# Altium PCB UZ_A_MAX11331_Adapter.PcbDoc (part 2 of 2) (continued)
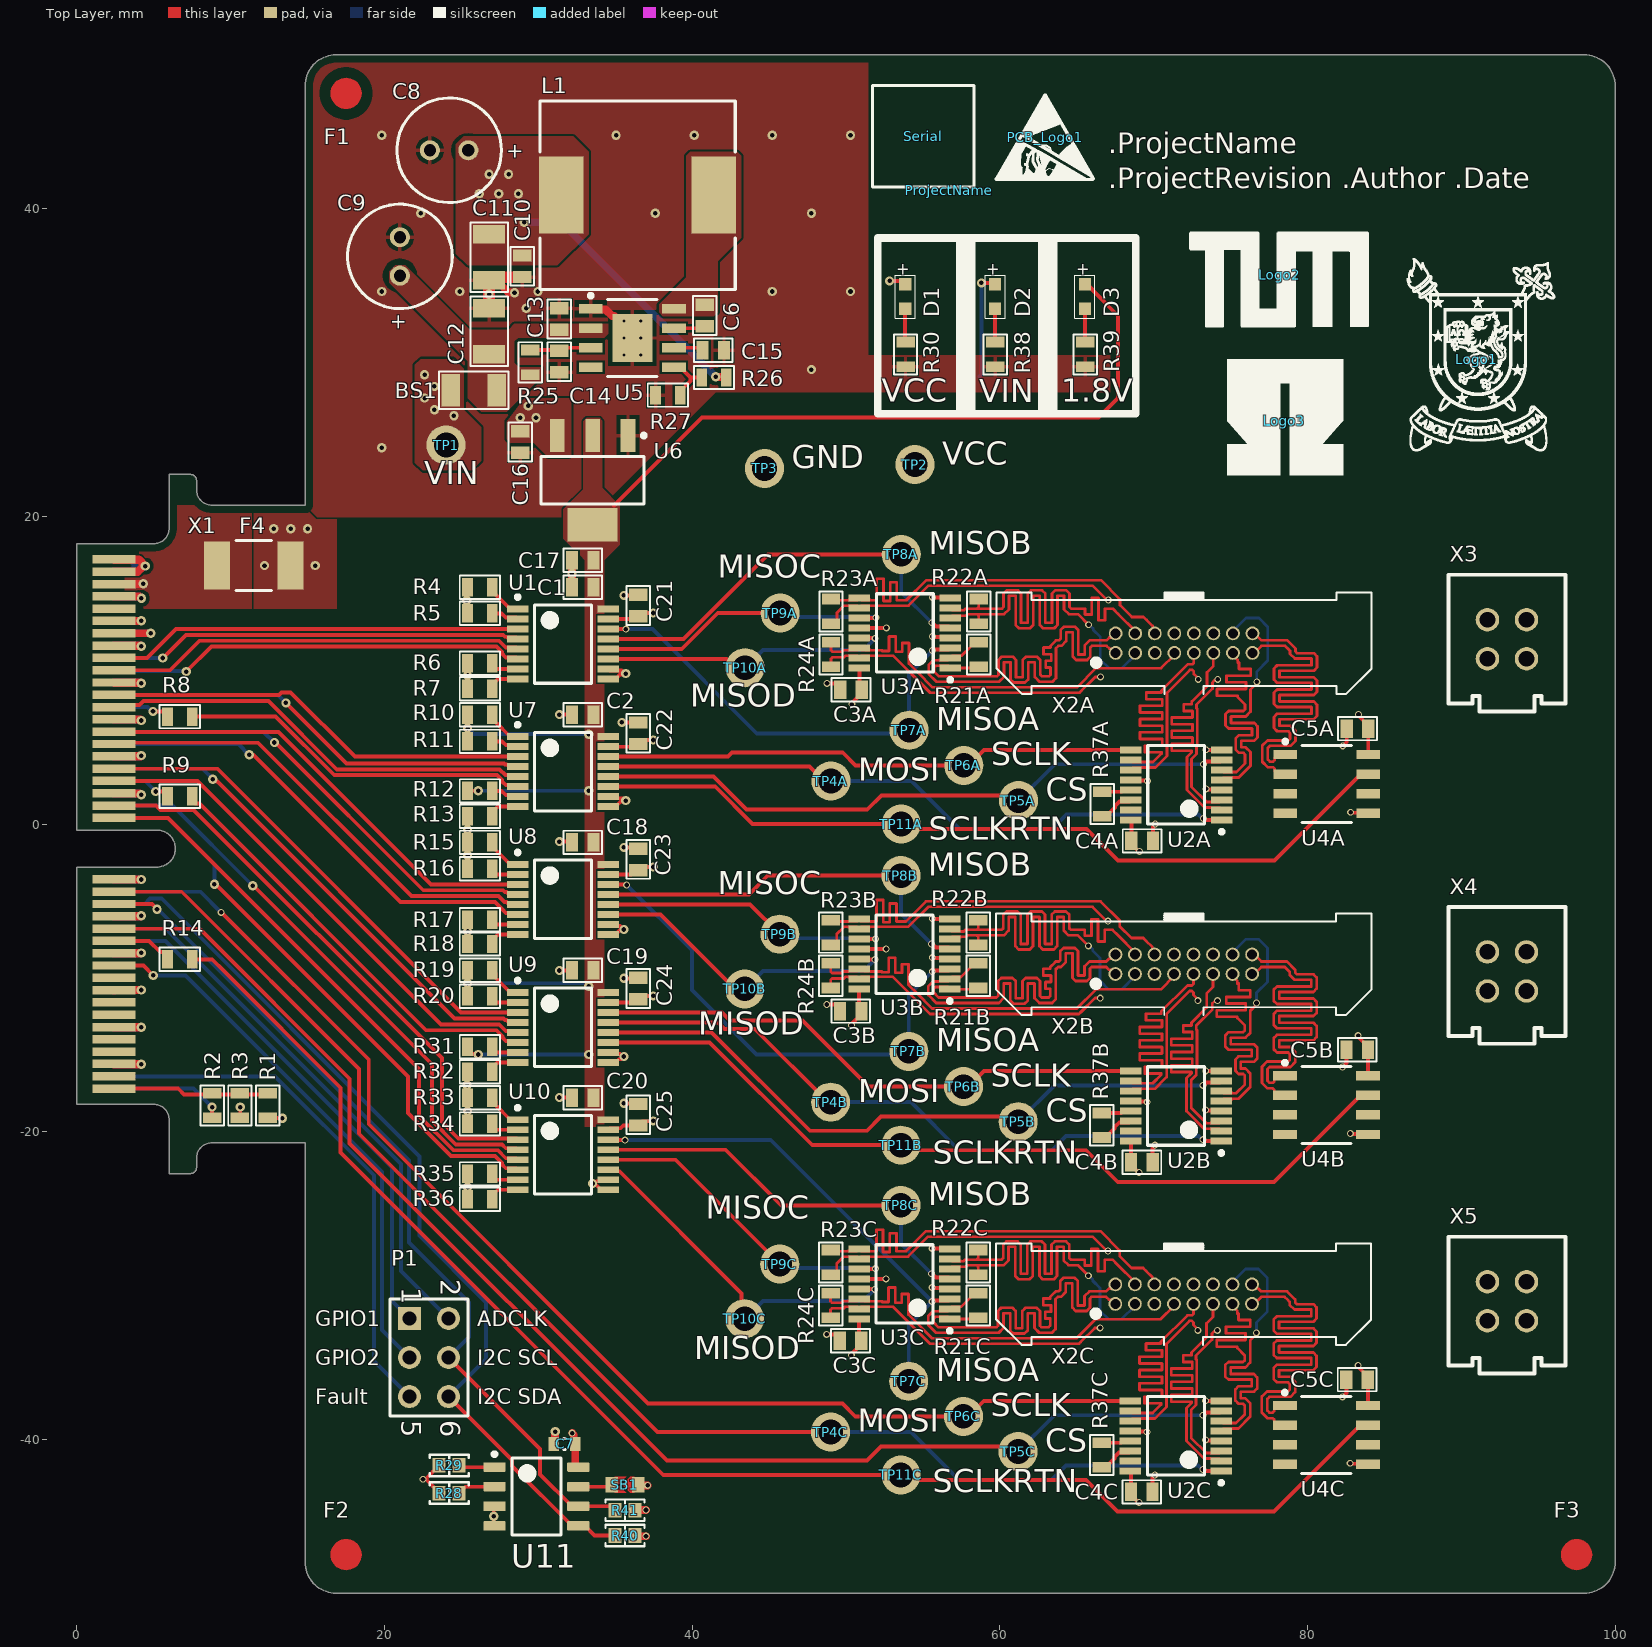
[diagram p0: Top Layer view]
## Nets (pads, with @x,y where several pads share a name; then routed paths per layer and width w, separated by ;. In a path a pad name is that pad's centre, name@x,y a point inside that pad or via, vN(x,y) a via of type N, cw(c..) or ccw(c..) an arc to the next point about the centre after c; other vN are vias at no path point) (continued)
  Bottom Layer w0.254: TP4A.1@49.022,2.794 54.249,2.794 57.373,-0.33 63.396,-0.33 64.332,0.606 72.925,0.606 73.175,0.356 v2(73.228,0.356)
MOSI1_i: U7.4 X1.24 | length 28.2
  Top Layer w0.254: v1(13.589,7.874) 17.526,3.937 27.768,3.937 27.834,3.871 27.928,3.871 27.976,3.823 28.552,3.823 U7.4@28.65,3.725
  Bottom Layer w0.254: X1.24@2.413,8.393 13.07,8.393 v1(13.589,7.874)
MOSI2: TP4B.1 U2B.1 U9.13 | length 43.8
  Top Layer w0.254: U9.13@34.55,-12.9 41.678,-12.9 42.113,-13.335 44.069,-13.335 48.819,-18.085 TP4B.1@49.002,-18.085 ; v2(73.208,-20.523) 73.261,-20.523 73.347,-20.609 U2B.1@74.398,-20.609
  Bottom Layer w0.254: TP4B.1@49.002,-18.085 54.229,-18.085 57.354,-21.209 63.376,-21.209 64.313,-20.273 72.905,-20.273 73.155,-20.523 v2(73.208,-20.523)
MOSI2_i: U9.4 X1.36 | length 33.1
  Top Layer w0.254: v1(8.839,2.912) 8.933,2.912 9.08,2.765 9.147,2.765 24.562,-12.649 27.729,-12.649 27.834,-12.754 27.928,-12.754 27.976,-12.802 28.552,-12.802 U9.4@28.65,-12.9
  Bottom Layer w0.254: X1.36@2.413,3.593 8.158,3.593 v1(8.839,2.912)
MOSI3: TP4C.1 U2C.1 X1.47 | length 90.8
  Top Layer w0.254: X1.47@2.413,-4.407 6.82,-4.407 18.351,-15.938 18.351,-20.139 37.74,-39.527 TP4C.1@48.997,-39.527 ; v2(73.203,-41.966) 73.256,-41.966 73.341,-42.051 U2C.1@74.393,-42.051
  Bottom Layer w0.254: TP4C.1@48.997,-39.527 54.224,-39.527 57.348,-42.652 63.371,-42.652 64.307,-41.715 72.899,-41.715 73.15,-41.966 v2(73.203,-41.966)
MOSIA_N: U2A.3 X2A.12 | length 20.5
  Top Layer w0.178: v2(74.168,9.398) 74.116,9.346 73.971,9.346 73.822,9.196 73.822,8.798 72.785,7.761 72.785,7.53 72.836,7.48 72.836,5.068 72.785,5.017 72.785,4.547 72.466,4.228 72.466,2.408 73.451,1.423 73.703,1.423 73.714,1.434 74.282,1.434 U2A.3@74.418,1.57
  VCC w0.178: X2A.12@73.883,12.395 73.883,12.534 74.74,13.392 76.836,13.392 77.419,12.808 77.419,10.617 76.708,9.906 74.676,9.906 v2(74.168,9.398)
MOSIA_P: U2A.2 X2A.11 | length 21.6
  Top Layer w0.178: X2A.11@73.883,11.125 73.883,10.276 73.466,9.859 73.466,8.945 72.48,7.959 72.48,7.785 71.951,7.785 71.951,7.353 72.531,7.353 72.531,6.922 71.171,6.922 71.171,6.49 72.531,6.49 72.531,6.058 71.171,6.058 71.171,5.626 72.531,5.626 72.531,5.194 71.171,5.194 71.171,4.763 72.48,4.763 72.48,4.674 72.161,4.355 72.161,2.21 73.304,1.068 73.703,1.068 73.714,1.057 74.282,1.057 U2A.2@74.418,0.92
MOSIB_N: U2B.3 X2B.12 | length 20.5
  Top Layer w0.178: v2(74.148,-11.481) 74.096,-11.533 73.951,-11.533 73.802,-11.683 73.802,-12.081 72.765,-13.118 72.765,-13.349 72.816,-13.399 72.816,-15.811 72.765,-15.862 72.765,-16.332 72.446,-16.651 72.446,-18.471 73.431,-19.456 73.683,-19.456 73.694,-19.445 74.262,-19.445 U2B.3@74.398,-19.309
  VCC w0.178: X2B.12@73.863,-8.484 73.863,-8.345 74.721,-7.487 76.816,-7.487 77.399,-8.071 77.399,-10.262 76.688,-10.973 74.656,-10.973 v2(74.148,-11.481)
MOSIB_P: U2B.2 X2B.11 | length 21.6
  Top Layer w0.178: X2B.11@73.863,-9.754 73.863,-10.603 73.446,-11.02 73.446,-11.934 72.461,-12.92 72.461,-13.094 71.931,-13.094 71.931,-13.526 72.511,-13.526 72.511,-13.957 71.151,-13.957 71.151,-14.389 72.511,-14.389 72.511,-14.821 71.151,-14.821 71.151,-15.253 72.511,-15.253 72.511,-15.685 71.151,-15.685 71.151,-16.116 72.461,-16.116 72.461,-16.205 72.142,-16.524 72.142,-18.669 73.284,-19.811 73.683,-19.811 73.694,-19.822 74.262,-19.822 U2B.2@74.398,-19.959
MOSIC_N: U2C.3 X2C.12 | length 20.5
  Top Layer w0.178: v2(74.143,-32.923) 74.091,-32.975 73.946,-32.975 73.796,-33.125 73.796,-33.524 72.76,-34.56 72.76,-34.791 72.811,-34.842 72.811,-37.253 72.76,-37.304 72.76,-37.774 72.441,-38.093 72.441,-39.913 73.426,-40.898 73.677,-40.898 73.688,-40.887 74.256,-40.887 U2C.3@74.393,-40.751
  VCC w0.178: X2C.12@73.858,-29.926 73.858,-29.787 74.715,-28.93 76.81,-28.93 77.394,-29.513 77.394,-31.704 76.683,-32.415 74.651,-32.415 v2(74.143,-32.923)
MOSIC_P: U2C.2 X2C.11 | length 21.6
  Top Layer w0.178: X2C.11@73.858,-31.196 73.858,-32.045 73.441,-32.462 73.441,-33.377 72.455,-34.362 72.455,-34.536 71.926,-34.536 71.926,-34.968 72.506,-34.968 72.506,-35.4 71.145,-35.4 71.145,-35.832 72.506,-35.832 72.506,-36.263 71.145,-36.263 71.145,-36.695 72.506,-36.695 72.506,-37.127 71.145,-37.127 71.145,-37.559 72.455,-37.559 72.455,-37.648 72.136,-37.967 72.136,-40.111 73.279,-41.254 73.677,-41.254 73.688,-41.265 74.256,-41.265 U2C.2@74.393,-41.401
NetC6_2: C6.2 U5.7 | length 1.8
  Top Layer w0.254: U5.7@38.808,32.229 C6.2@40.47,32.229 ; C6.2@40.808,32.359 C6.2@40.894,32.445
NetC15_1: C15.1 U5.6 | length 1.9
  Top Layer w0.254: U5.6@38.808,30.959 40.514,30.959 C15.1@40.667,30.806
NetD1_1: D1.1 R30.2 | length 2.2
  Top Layer w0.254: D1.1@53.848,33.49 53.848,31.349 R30.2@53.87,31.327
NetD2_1: D2.1 R38.1 | length 2.2
  Top Layer w0.254: D2.1@59.69,33.49 59.69,31.349 R38.1@59.712,31.327
NetD3_1: D3.1 R39.1 | length 2.2
  Top Layer w0.254: D3.1@65.532,33.49 65.532,31.349 R39.1@65.554,31.327
NetR1_1: R1.1 R2.2 R3.1 X1.79 | length 10.2
  Top Layer w0.254: X1.79@2.413,-17.207 6.59,-17.207 6.96,-17.577 12.323,-17.577 R1.1@12.4,-17.5
NetR2_1: R2.1 X1.80 | length 7.6
  Top Layer w0.254: v1(8.788,-18.404) 8.788,-19.088 R2.1@8.8,-19.1
  Bottom Layer w0.254: X1.80@2.413,-17.207 7.591,-17.207 v1(8.788,-18.404)
NetR4_2: R4.2 U1.1 | length 2.4
  Top Layer w0.254: R4.2@27,15.4 27,15.15 27.223,14.927 28.175,13.975 U1.1@28.65,13.975
NetR5_2: R5.2 U1.2 | length 1.8
  Top Layer w0.254: R5.2@27,13.694 27.611,13.694 27.882,13.423 28.552,13.423 U1.2@28.65,13.325
NetR6_2: R6.2 U1.7 | length 1.9
  Top Layer w0.254: R6.2@27,10.45 27,10.298 27.223,10.075 U1.7@28.65,10.075
NetR7_2: R7.2 U1.8 | length 2.1
  Top Layer w0.254: R7.2@27,8.8 27,9.05 27.375,9.425 U1.8@28.65,9.425
NetR8_1: R8.1 U7.6 | length 23.1
  Top Layer w0.254: R8.1@7.493,6.985 12.923,6.985 16.733,3.175 27.32,3.175 27.629,2.866 27.629,2.775 27.882,2.523 28.552,2.523 U7.6@28.65,2.425
NetR9_1: R9.1 U9.6 | length 28
  Top Layer w0.254: R9.1@7.493,1.8 7.493,1.55 7.716,1.327 7.966,1.327 22.704,-13.411 27.281,-13.411 27.671,-13.8 27.671,-13.891 27.882,-14.102 28.552,-14.102 U9.6@28.65,-14.2
NetR10_2: R10.2 U7.1 | length 2.4
  Top Layer w0.254: R10.2@27,7.1 27,6.85 27.223,6.627 28.175,5.675 U7.1@28.65,5.675
NetR11_2: R11.2 U7.2 | length 1.8
  Top Layer w0.254: R11.2@27,5.368 27.637,5.368 27.882,5.123 28.552,5.123 U7.2@28.65,5.025
NetR12_2: R12.2 U7.7 | length 1.8
  Top Layer w0.254: R12.2@27,2.15 27.605,2.15 27.882,1.873 28.552,1.873 U7.7@28.65,1.775
NetR13_2: R13.2 U7.8 | length 2.1
  Top Layer w0.254: R13.2@27,0.5 27,0.75 27.375,1.125 U7.8@28.65,1.125
NetR14_1: R14.1 X1.55 | length 4.1
  Top Layer w0.254: X1.55@2.413,-7.607 4.7,-7.607 5.42,-8.327 5.67,-8.327 5.893,-8.55 R14.1@5.893,-8.8
NetR15_2: R15.2 U8.1 | length 2.4
  Top Layer w0.254: R15.2@27,-1.2 27,-1.45 27.223,-1.673 28.175,-2.625 U8.1@28.65,-2.625
NetR16_2: R16.2 U8.2 | length 1.9
  Top Layer w0.254: R16.2@27,-2.9 27,-3.052 27.223,-3.275 U8.2@28.65,-3.275
NetR17_2: R17.2 U8.7 | length 1.9
  Top Layer w0.254: R17.2@27,-6.15 27,-6.302 27.223,-6.525 U8.7@28.65,-6.525
NetR18_2: R18.2 U8.8 | length 2.1
  Top Layer w0.254: R18.2@27,-7.8 27,-7.55 27.375,-7.175 U8.8@28.65,-7.175
NetR19_2: R19.2 U9.1 | length 2.4
  Top Layer w0.254: R19.2@27,-9.5 27.223,-9.723 27.223,-9.998 28.175,-10.95 U9.1@28.65,-10.95
NetR20_2: R20.2 U9.2 | length 1.9
  Top Layer w0.254: R20.2@27,-11.2 27,-11.377 27.223,-11.6 U9.2@28.65,-11.6
NetR31_2: R31.2 U9.7 | length 1.9
  Top Layer w0.254: R31.2@27,-14.475 27,-14.627 27.223,-14.85 U9.7@28.65,-14.85
NetR32_2: R32.2 U9.8 | length 2
  Top Layer w0.254: R32.2@27,-16.1 27,-15.85 27.35,-15.5 U9.8@28.65,-15.5
NetR33_2: R33.2 U10.1 | length 2.4
  Top Layer w0.254: R33.2@27,-17.8 27.223,-18.023 27.223,-18.273 28.175,-19.225 U10.1@28.65,-19.225
NetR34_2: R34.2 U10.2 | length 1.9
  Top Layer w0.254: R34.2@27,-19.5 27,-19.652 27.223,-19.875 U10.2@28.65,-19.875
NetR35_2: R35.2 U10.7 | length 1.9
  Top Layer w0.254: R35.2@27,-22.75 27,-22.902 27.223,-23.125 U10.7@28.65,-23.125
NetR36_2: R36.2 U10.8 | length 2.1
  Top Layer w0.254: R36.2@27,-24.4 27,-24.15 27.375,-23.775 U10.8@28.65,-23.775
NetR37A_1: R37A.1 U2A.14 | length 2.4
  Top Layer w0.254: R37A.1@66.653,0.498 66.903,0.498 67.485,1.08 67.485,1.172 67.786,1.472 68.42,1.472 U2A.14@68.518,1.57
NetR37A_2: R37A.2 U2A.13 | length 1.9
  Top Layer w0.254: R37A.2@66.653,2.098 67.921,2.098 68.043,2.22 U2A.13@68.518,2.22
NetR37B_1: R37B.1 U2B.14 | length 2.4
  Top Layer w0.254: R37B.1@66.633,-20.381 66.883,-20.381 67.465,-19.799 67.465,-19.707 67.766,-19.407 68.4,-19.407 U2B.14@68.498,-19.309
NetR37B_2: R37B.2 U2B.13 | length 1.9
  Top Layer w0.254: R37B.2@66.633,-18.781 67.901,-18.781 68.023,-18.659 U2B.13@68.498,-18.659
NetR37C_1: R37C.1 U2C.14 | length 2.4
  Top Layer w0.254: R37C.1@66.628,-41.823 66.878,-41.823 67.46,-41.241 67.46,-41.15 67.76,-40.849 68.395,-40.849 U2C.14@68.493,-40.751
NetR37C_2: R37C.2 U2C.13 | length 1.9
  Top Layer w0.254: R37C.2@66.628,-40.223 67.895,-40.223 68.018,-40.101 U2C.13@68.493,-40.101
NetSB1_2: SB1.2 U11.7 | length 2.2
  Top Layer w0.25: U11.7@32.601,-43.083 34.639,-43.083 SB1.2@34.766,-42.956
PS_ANL_GPIO_01: P1.1 X1.56 | length 34.4
  Bottom Layer w0.254: X1.56@2.413,-7.607 5.753,-7.607 20.489,-22.344 20.489,-31.013 P1.1@21.62,-32.144
PS_ANL_GPIO_02: P1.3 X1.59 | length 35.8
  Top Layer w0.254: X1.59@2.413,-9.207 4.326,-9.207 v1(4.963,-9.843)
  Bottom Layer w0.254: v1(4.963,-9.843) 7.049,-9.843 19.825,-22.619 19.825,-32.889 P1.3@21.62,-34.684
SCLK1: TP6A.1 U2A.9 U7.14 | length 34.8
  Top Layer w0.254: U7.14@34.55,4.375 42.32,4.375 42.593,4.648 49.79,4.648 50.628,3.81 TP6A.1@57.658,3.81 57.972,3.81 58.982,4.82 U2A.9@68.518,4.82
SCLK1_i: U7.3 X1.23 | length 28
  Top Layer w0.254: X1.23@2.413,8.393 13.145,8.393 13.307,8.555 13.899,8.555 18.079,4.375 U7.3@28.65,4.375
SCLK2: TP6B.1 U2B.9 U9.14 | length 36.4
  Top Layer w0.254: U9.14@34.55,-12.25 41.931,-12.25 42.457,-12.776 47.168,-12.776 51.461,-17.069 TP6B.1@57.638,-17.069 57.952,-17.069 58.963,-16.059 U2B.9@68.498,-16.059
SCLK2_i: U9.3 X1.35 | length 32.8
  Top Layer w0.254: X1.35@2.413,3.593 9.132,3.593 24.975,-12.25 U9.3@28.65,-12.25
SCLK3: TP6C.1 U2C.9 X1.48 | length 83.1
  Top Layer w0.254: v2(9.373,-5.74) 9.398,-5.74 18.974,-15.316 18.974,-19.516 37.131,-37.673 49.765,-37.673 50.603,-38.511 TP6C.1@57.633,-38.511 57.947,-38.511 58.957,-37.501 U2C.9@68.493,-37.501
  Bottom Layer w0.254: X1.48@2.413,-4.407 8.039,-4.407 v2(9.373,-5.74)
SCLKA_N: U2A.11 X2A.10 | length 22.6
  Top Layer w0.178: U2A.11@68.518,3.52 68.654,3.657 69.222,3.657 69.233,3.668 70.109,3.668 70.866,4.425 70.866,8.529 72.362,10.025 72.509,10.025 72.613,9.921 72.613,9.757 72.898,9.472 v2(72.898,9.398)
  GND w0.178: X2A.10@72.613,12.395 72.613,12.534 73.47,13.392 76.836,13.392 77.419,12.808 77.419,10.713 76.672,9.966 73.466,9.966 v2(72.898,9.398)
SCLKA_P: U2A.10 X2A.9 | length 22.8
  Top Layer w0.178: U2A.10@68.518,4.17 68.654,4.034 69.222,4.034 69.233,4.023 69.962,4.023 70.51,4.572 70.51,4.661 69.434,4.661 69.434,5.093 70.561,5.093 70.561,5.525 69.113,5.525 69.113,5.956 70.561,5.956 70.561,6.388 69.113,6.388 69.113,6.82 70.561,6.82 70.561,7.252 69.113,7.252 69.113,7.684 70.561,7.684 70.561,8.115 69.523,8.115 69.523,8.547 70.51,8.547 70.51,8.677 72.214,10.38 72.509,10.38 72.613,10.485 X2A.9@72.613,11.125
SCLKB_N: U2B.11 X2B.10 | length 22.6
  Top Layer w0.178: U2B.11@68.498,-17.359 68.634,-17.222 69.202,-17.222 69.213,-17.211 70.089,-17.211 70.846,-16.454 70.846,-12.35 72.342,-10.854 72.489,-10.854 72.593,-10.958 72.593,-11.122 72.878,-11.407 v2(72.878,-11.481)
  GND w0.178: X2B.10@72.593,-8.484 72.593,-8.345 73.451,-7.487 76.816,-7.487 77.399,-8.071 77.399,-10.166 76.652,-10.913 73.446,-10.913 v2(72.878,-11.481)
SCLKB_P: U2B.10 X2B.9 | length 22.8
  Top Layer w0.178: U2B.10@68.498,-16.709 68.634,-16.845 69.202,-16.845 69.213,-16.856 69.942,-16.856 70.491,-16.307 70.491,-16.218 69.414,-16.218 69.414,-15.786 70.541,-15.786 70.541,-15.354 69.094,-15.354 69.094,-14.923 70.541,-14.923 70.541,-14.491 69.094,-14.491 69.094,-14.059 70.541,-14.059 70.541,-13.627 69.094,-13.627 69.094,-13.195 70.541,-13.195 70.541,-12.764 69.503,-12.764 69.503,-12.332 70.491,-12.332 70.491,-12.202 72.194,-10.499 72.489,-10.499 72.593,-10.394 X2B.9@72.593,-9.754
SCLKC_N: U2C.11 X2C.10 | length 22.6
  Top Layer w0.178: U2C.11@68.493,-38.801 68.629,-38.665 69.197,-38.665 69.208,-38.654 70.083,-38.654 70.841,-37.897 70.841,-33.792 72.336,-32.297 72.483,-32.297 72.588,-32.401 72.588,-32.565 72.873,-32.85 v2(72.873,-32.923)
  GND w0.178: X2C.10@72.588,-29.926 72.588,-29.787 73.445,-28.93 76.81,-28.93 77.394,-29.513 77.394,-31.609 76.647,-32.356 73.441,-32.356 v2(72.873,-32.923)
SCLKC_P: U2C.10 X2C.9 | length 22.8
  Top Layer w0.178: U2C.10@68.493,-38.151 68.629,-38.287 69.197,-38.287 69.208,-38.298 69.936,-38.298 70.485,-37.749 70.485,-37.66 69.408,-37.66 69.408,-37.229 70.536,-37.229 70.536,-36.797 69.088,-36.797 69.088,-36.365 70.536,-36.365 70.536,-35.933 69.088,-35.933 69.088,-35.501 70.536,-35.501 70.536,-35.07 69.088,-35.07 69.088,-34.638 70.536,-34.638 70.536,-34.206 69.498,-34.206 69.498,-33.774 70.485,-33.774 70.485,-33.645 72.189,-31.941 72.483,-31.941 72.588,-31.837 X2C.9@72.588,-31.196
SCLKRTN1_i: R8.2 X1.26 | length 3.8
  Top Layer w0.254: v1(4.947,7.32) 5.67,7.32 5.893,7.097 R8.2@5.893,6.985
  Bottom Layer w0.254: X1.26@2.413,7.593 4.58,7.593 4.853,7.32 v1(4.947,7.32)
SCLKRTN2_i: R9.2 X1.38 | length 3.9
  Top Layer w0.254: v1(5.126,2.112) 5.67,2.112 5.893,1.889 R9.2@5.893,1.8
  Bottom Layer w0.254: X1.38@2.413,2.793 4.445,2.793 v1(5.126,2.112)
SCLKRTN3: R14.2 TP11C.1 U4C.7 | length 96.1
  Top Layer w0.254: R14.2@7.493,-8.8 8.8,-8.8 9.552,-9.552 17.145,-17.145 17.145,-21.345 38.121,-42.321 TP11C.1@53.569,-42.321 53.899,-42.652 65.608,-42.652 67.663,-44.707 77.828,-44.707 83.454,-39.081 U4C.7@83.929,-39.081
SCLKRTNA: TP11A.1 U4A.7 U7.11 | length 53.7
  Top Layer w0.254: U7.11@34.55,2.425 41.5,2.425 43.925,0 TP11A.1@53.594,0 53.924,-0.33 65.634,-0.33 67.689,-2.385 77.854,-2.385 83.479,3.24 U4A.7@83.954,3.24
SCLKRTNA_N: U4A.1 X2A.16 | length 27.1
  Top Layer w0.178: X2A.16@76.423,12.395 76.562,12.395 77.019,11.938 78.689,11.938 79.223,11.405 79.223,11.212 79.327,11.107 80.411,11.107 80.62,10.899 80.62,10.173 80.411,9.964 78.181,9.964 78.181,9.533 80.411,9.533 80.62,9.324 80.62,8.598 80.411,8.39 78.181,8.39 78.181,7.958 80.411,7.958 80.62,7.749 80.62,7.023 80.411,6.815 78.181,6.815 78.181,6.383 78.91,6.383 79.223,6.071 79.223,5.41 79.223,5.392 78.91,5.08 77.546,5.08 77.417,4.951 77.417,4.195 77.559,4.053 77.764,4.053 77.868,4.157 77.868,4.299 78.079,4.51 U4A.1@78.554,4.51
SCLKRTNA_P: U4A.2 X2A.15 | length 27.1
  Top Layer w0.178: X2A.15@76.423,11.125 76.562,11.125 77.019,11.583 78.542,11.583 78.72,11.405 78.867,11.257 78.867,11.064 79.179,10.752 80.264,10.752 80.264,10.32 78.034,10.32 77.826,10.112 77.826,9.385 78.034,9.177 80.264,9.177 80.264,8.745 78.034,8.745 77.826,8.537 77.826,7.81 78.034,7.602 80.264,7.602 80.264,7.17 78.034,7.17 77.826,6.962 77.826,6.236 78.034,6.027 78.763,6.027 78.867,5.923 78.867,5.54 78.763,5.436 77.737,5.436 77.399,5.436 77.061,5.098 77.061,4.047 77.412,3.697 77.764,3.697 77.868,3.593 77.868,3.451 78.079,3.24 U4A.2@78.554,3.24
SCLKRTNB: TP11B.1 U4B.7 U9.11 | length 55.5
  Top Layer w0.254: U9.11@34.55,-14.2 41.124,-14.2 47.803,-20.879 TP11B.1@53.574,-20.879 53.904,-21.209 65.614,-21.209 67.669,-23.264 77.834,-23.264 83.459,-17.639 U4B.7@83.934,-17.639
SCLKRTNB_N: U4B.1 X2B.16 | length 27.1
  Top Layer w0.178: X2B.16@76.403,-8.484 76.542,-8.484 76.999,-8.941 78.669,-8.941 79.203,-9.474 79.203,-9.667 79.307,-9.772 80.392,-9.772 80.6,-9.98 80.6,-10.706 80.392,-10.915 78.161,-10.915 78.161,-11.346 80.392,-11.346 80.6,-11.555 80.6,-12.281 80.392,-12.489 78.161,-12.489 78.161,-12.921 80.392,-12.921 80.6,-13.13 80.6,-13.856 80.392,-14.064 78.161,-14.064 78.161,-14.496 78.89,-14.496 79.203,-14.808 79.203,-15.469 79.203,-15.487 78.89,-15.799 77.526,-15.799 77.397,-15.928 77.397,-16.684 77.539,-16.826 77.744,-16.826 77.848,-16.722 77.848,-16.58 78.059,-16.369 U4B.1@78.534,-16.369
SCLKRTNB_P: U4B.2 X2B.15 | length 27.1
  Top Layer w0.178: X2B.15@76.403,-9.754 76.542,-9.754 76.999,-9.296 78.522,-9.296 78.7,-9.474 78.847,-9.622 78.847,-9.815 79.16,-10.127 80.244,-10.127 80.244,-10.559 78.014,-10.559 77.806,-10.767 77.806,-11.494 78.014,-11.702 80.244,-11.702 80.244,-12.134 78.014,-12.134 77.806,-12.342 77.806,-13.069 78.014,-13.277 80.244,-13.277 80.244,-13.709 78.014,-13.709 77.806,-13.917 77.806,-14.643 78.014,-14.852 78.743,-14.852 78.847,-14.956 78.847,-15.339 78.743,-15.443 77.717,-15.443 77.379,-15.443 77.042,-15.781 77.042,-16.832 77.392,-17.182 77.744,-17.182 77.848,-17.286 77.848,-17.428 78.059,-17.639 U4B.2@78.534,-17.639
SCLKRTNC_N: U4C.1 X2C.16 | length 27.1
  Top Layer w0.178: X2C.16@76.398,-29.926 76.536,-29.926 76.993,-30.383 78.664,-30.383 79.197,-30.917 79.197,-31.11 79.301,-31.214 80.386,-31.214 80.594,-31.422 80.594,-32.149 80.386,-32.357 78.156,-32.357 78.156,-32.789 80.386,-32.789 80.594,-32.997 80.594,-33.724 80.386,-33.932 78.156,-33.932 78.156,-34.364 80.386,-34.364 80.594,-34.572 80.594,-35.298 80.386,-35.507 78.156,-35.507 78.156,-35.938 78.885,-35.938 79.197,-36.251 79.197,-36.911 79.197,-36.929 78.885,-37.241 77.521,-37.241 77.392,-37.371 77.392,-38.127 77.534,-38.269 77.738,-38.269 77.843,-38.164 77.843,-38.022 78.054,-37.811 U4C.1@78.529,-37.811
SCLKRTNC_P: U4C.2 X2C.15 | length 27.1
  Top Layer w0.178: X2C.15@76.398,-31.196 76.536,-31.196 76.993,-30.739 78.516,-30.739 78.694,-30.917 78.842,-31.064 78.842,-31.257 79.154,-31.57 80.239,-31.57 80.239,-32.001 78.009,-32.001 77.8,-32.21 77.8,-32.936 78.009,-33.144 80.239,-33.144 80.239,-33.576 78.009,-33.576 77.8,-33.785 77.8,-34.511 78.009,-34.719 80.239,-34.719 80.239,-35.151 78.009,-35.151 77.8,-35.359 77.8,-36.086 78.009,-36.294 78.737,-36.294 78.842,-36.398 78.842,-36.782 78.737,-36.886 77.711,-36.886 77.374,-36.886 77.036,-37.223 77.036,-38.274 77.386,-38.624 77.738,-38.624 77.843,-38.728 77.843,-38.87 78.054,-39.081 U4C.2@78.529,-39.081
SW: C6.1 L1.1 U5.8
VCC: C3A.1 C3B.1 C3C.1 C4A.1 C4B.1 C4C.1 C5A.1 C5B.1 C5C.1 C8.2 C10.1 C11.1 C16.1 C21.1 C22.1 C23.1 C24.1 C25.1 D1.2 L1.2 R26.2 TP2.1 U1.15 U2A.4 U2A.16 U2B.4 U2B.16 U2C.4 U2C.16 U3A.4 U3A.16 U3B.4 U3B.16 U3C.4 U3C.16 U4A.8 U4B.8 U4C.8 U6.3 U7.15 U8.15 U9.15 U10.15 | length 64.1
  Top Layer w0.254: U10.15@34.55,-19.875 34.648,-19.777 35.342,-19.777 35.519,-19.6 C25.1@36.5,-19.6 36.773,-19.327 37.442,-19.327 v1(37.465,-19.304) ; U9.15@34.55,-11.6 36.3,-11.6 36.724,-11.176 v1(37.465,-11.176) ; U8.15@34.55,-3.275 36.025,-3.275 36.3,-3 C23.1@36.5,-3 36.706,-2.794 v1(37.465,-2.794) ; U7.15@34.55,5.025 36.325,5.025 36.761,5.461 v1(37.465,5.461) ; U1.15@34.55,13.325 36.325,13.325 36.716,13.716 v1(37.465,13.716) ; v2(50.352,-34.526) 50.39,-34.488 50.39,-34.412 50.999,-33.803 C3C.1@50.999,-33.603 50.849,-33.453 U3C.16@50.849,-32.178 ; v2(50.358,-13.083) 50.395,-13.046 50.395,-12.969 51.005,-12.36 C3B.1@51.005,-12.16 50.855,-12.01 U3B.16@50.855,-10.735 ; v2(50.378,7.796) 50.415,7.833 50.415,7.91 51.024,8.519 C3A.1@51.024,8.719 50.874,8.869 U3A.16@50.874,10.144 ; v1(52.832,35.306) 53.827,35.306 D1.2@53.856,35.277 ; v2(55.601,-30.129) 55.638,-30.167 56.688,-30.167 U3C.4@56.749,-30.228 ; v2(55.606,-8.687) 55.644,-8.725 56.694,-8.725 U3B.4@56.755,-8.785 ; v2(55.626,12.192) 55.664,12.154 56.714,12.154 U3A.4@56.774,12.094 ; U2C.16@68.493,-42.051 68.528,-42.086 68.528,-43.623 69.005,-44.101 v2(69.055,-44.101) ; U2B.16@68.498,-20.609 68.533,-20.644 68.533,-22.181 69.011,-22.658 v2(69.06,-22.658) ; U2A.16@68.518,0.27 68.553,0.235 68.553,-1.302 69.03,-1.779 v2(69.08,-1.779) ; v2(73.379,-40.038) 73.41,-40.069 74.361,-40.069 U2C.4@74.393,-40.101 ; v2(73.384,-18.595) 73.416,-18.627 74.367,-18.627 U2B.4@74.398,-18.659 ; v2(73.404,2.284) 73.436,2.252 74.386,2.252 U2A.4@74.418,2.22 ; v2(83.292,-35.205) 83.33,-35.242 83.33,-35.318 83.929,-35.916 U4C.8@83.929,-37.811 ; v2(83.298,-13.762) 83.335,-13.8 83.335,-13.875 83.934,-14.474 U4B.8@83.934,-16.369 ; v2(83.318,7.117) 83.355,7.079 83.355,7.004 83.954,6.405 U4A.8@83.954,4.51
  Top Layer w0.508: v1(41.529,29.083) 41.547,29.065 42.18,29.065 R26.2@42.217,29.028
  Bottom Layer w0.508: v1(29.083,39.116) 31.496,39.116 v1(41.529,29.083)
  other v1: 28.829,26.416 29.845,26.416 29.337,27.178 26.162,40.97 27.432,40.97 28.702,40.97 26.797,42.24 28.067,42.24
VIN: BS1.1 D2.2 F4.2 TP1.1 X3.3 X3.4 X4.3 X4.4 X5.3 X5.4 | length 7.1
  Top Layer w0.254: v1(58.801,35.179) 59.754,35.179 D2.2@59.756,35.177
  Bottom Layer w0.254: 58.674,29.083 58.801,29.21 v1(58.801,35.179)
  other v1: 12.2,16.8 15.5,16.8 12.8,19.2 13.9,19.2 15,19.2 24.511,26.543 23.241,26.924 22.606,27.686 23.241,28.448 22.606,29.21
VIN_CVN: BS1.2 C9.2 C12.1 C13.1 R25.2 U5.2
VIN_unfused: F4.1 X1.5 X1.6 | length 3.8
  Top Layer w0.533: X1.5@2.413,15.593 2.421,15.602 4.28,15.602 4.3,15.621 v1(4.318,15.621)
  Bottom Layer w0.533: X1.6@2.413,15.593 2.421,15.602 4.28,15.602 4.3,15.621 v1(4.318,15.621)
pads on no net: U2A.15 U2B.15 U2C.15 U4A.3 U4A.4 U4A.6 U4B.3 U4B.4 U4B.6 U4C.3 U4C.4 U4C.6 U5.4 X1.9 X1.10 X1.60 X1.61 X1.62 X1.65 X1.66 X1.67 X1.68 X1.71 X1.72 X1.73 X1.74 X1.77

## Polygon pours and split planes (outlines as drawn)
VIN_unfused on Top Layer "VIN_UNFUSED_L01_P015" (solid, pour order 15): 3.1,20.725 3.1,14 11.6,14 11.6,20.725
VIN on Top Layer "VIN_L01_P014" (solid, pour order 14): 11.5,20.8 11.5,14 16.9,14 16.9,20.8
GND on Top Layer "TOP_GND" (solid, pour order 13): 14.859,49.911 14.859,20.701 15.621,19.939 33.401,19.939 41.529,28.067 67.183,28.067 67.183,30.48 51.435,30.48 51.435,49.784
1.8V on Top Layer "TOP_1.8" (solid, pour order 11): 34.29,17.145 35.306,18.161 35.306,20.701 34.163,21.844 34.163,26.229 33.976,26.416 33.147,26.416 32.927,26.196 32.927,21.751 31.623,20.447 31.623,18.542 33.02,17.145 33.02,-19.685 34.29,-19.685
VCC on Top Layer "TOP_VCC" (solid, pour order 5): 31.242,36.322 33.274,38.354 33.274,43.688 32.258,44.704 25.146,44.704 24.638,44.196 24.638,37.084 25.4,36.322
SW on Top Layer "TOP_SW" (solid, pour order 12): 38.1,33.02 37.846,33.274 37.846,33.782 39.624,35.56 39.624,43.434 39.878,43.688 42.926,43.688 43.18,43.434 43.18,38.1 41.656,36.576 41.656,33.274 41.402,33.02
VIN_CVN on Top Layer "TOP_VINCVN" (solid, pour order 10): 25.527,32.131 21.336,36.322 20.701,36.322 20.32,35.941 20.32,35.179 25.4,30.099 25.4,27.686 26.289,26.797 27.94,26.797 29.875,28.732 30.191,28.732 30.191,29.686 28.734,29.686 28.448,29.972 28.448,31.369 28.702,31.623 34.29,31.623 34.544,31.877 34.544,32.512 28.448,32.512 28.067,32.131
VCC on Top Layer "TOP_VCC2" (solid, pour order 7): 27.94,26.162 27.94,25.019 28.194,24.765 28.213,24.784 29.699,24.784 30.607,23.876 32.004,23.876 32.131,24.003 32.131,27.686 29.083,27.686
VIN on Top Layer "TOP_VIN" (solid, pour order 9): 24.511,30.226 25.146,29.591 25.146,26.924 26.289,25.781 26.289,23.622 25.654,22.987 22.479,22.987 21.971,23.495 21.971,29.845 22.352,30.226
VIN on Bottom Layer "BOT_VIN" (solid, pour order 8): 11.3,14 20.985,14 26.035,19.05 80.899,19.05 86.868,13.081 86.868,-32.893 90.297,-36.322 95.123,-36.322 97.917,-33.528 97.917,15.748 84.201,29.464 15.367,29.464 15.24,29.591 11.3,25.651
GND on GND "GND" (solid, pour order 0): 1.2,-18.225 5,-18.225 cw(c5,-19.225) 6,-19.225 6,-22.725 7.38,-22.725 ccw(c7.38,-22.325) 7.78,-22.325 7.78,-21.725 cw(c8.78,-21.725) 8.78,-20.725 14.84,-20.725 14.84,-50 100,-50 100,50 14.84,50 14.84,20.725 8.78,20.725 cw(c8.78,21.725) 7.78,21.725 7.78,22.325 ccw(c7.38,22.325) 7.38,22.725 6,22.725 6,19.225 cw(c5,19.225) 5,18.225 1.2,18.225 1.2,-0.4 5.2,-0.4 cw(c5.2,-1.6) 5.2,-2.8 1.2,-2.8
VCC on VCC "VCC" (solid, pour order 1): 1.3,-18.225 5,-18.225 cw(c5,-19.225) 6,-19.225 6,-22.725 7.38,-22.725 ccw(c7.38,-22.325) 7.78,-22.325 7.78,-21.725 cw(c8.78,-21.725) 8.78,-20.725 14.84,-20.725 14.84,-50 100,-50 100,50 14.84,50 14.84,20.725 8.78,20.725 cw(c8.78,21.725) 7.78,21.725 7.78,22.325 ccw(c7.38,22.325) 7.38,22.725 6,22.725 6,19.225 cw(c5,19.225) 5,18.225 1.3,18.225 1.3,-0.4 5.2,-0.4 cw(c5.2,-1.6) 5.2,-2.8 1.3,-2.8

## Silkscreen, mask and mechanical layers (free items; w line width, h text height)
Top Overlay:
  lines w0.508: 52.07,26.67 68.834,26.67 68.834,38.1 52.07,38.1 52.07,37.846 52.07,26.67
  lines w1.27: 57.785,27.051 57.785,37.719 ; 63.119,27.051 63.119,37.719
  text "VCC" at 52.324,26.952 h2.54
  text "1.8V" at 64.008,26.954 h2.54
  text "VIN" at 58.674,26.924 h2.54
  text "GPIO1" at 15.494,-32.644 h1
  text "ADCLK" at 26.037,-32.644 h1
  text "GPIO2" at 15.494,-35.184 h1
  text "I2C SCL" at 26.037,-35.184 h1
  text "Fault" at 15.494,-37.724 h1
  text "I2C SDA" at 26.037,-37.724 h1
Bottom Overlay:
  drawing of 354 lines, arcs and shapes, not listed
Board Outline:
  lines w0.127: 0,-18.225 0,-2.8 0.779,-2.8 5.2,-2.8 ccw(c5.2,-1.6) 5.2,-0.4 0.779,-0.4 0,-0.4 0,18.225 0.779,18.225 5,18.225 ccw(c5,19.225) 6,19.225 6,22.725 7.38,22.725 cw(c7.38,22.325) 7.78,22.325 7.78,21.725 ccw(c8.78,21.725) 8.78,20.725 14.84,20.725 14.84,48 cw(c16.84,48) 16.84,50 98,50 cw(c98,48) 100,48 100,-48 cw(c98,-48) 98,-50 16.84,-50 cw(c16.84,-48) 14.84,-48 14.84,-20.725 8.78,-20.725 ccw(c8.78,-21.725) 7.78,-21.725 7.78,-22.325 cw(c7.38,-22.325) 7.38,-22.725 6,-22.725 6,-19.225 ccw(c5,-19.225) 5,-18.225 0.779,-18.225 0,-18.225
Mechanical 5:
  text "U6" at 31.257,21.59 h1.02

## Dimensions
100,50 to 100,-50 on Dimensions
0,18.225 to 100,50 on Dimensions

## Text inside footprints (layer, text, board x,y; h text height)
C8: Top Overlay "+" at 27.9,43.3 h1
C9: Top Overlay "+" at 20.5,33.2 h1 r270
D1: Top Overlay "+" at 54.148,36.39 h0.76 r180
D2: Top Overlay "+" at 59.99,36.39 h0.76 r180
D3: Top Overlay "+" at 65.832,36.39 h0.76 r180
P1: Top Overlay "1" at 21.112,-30.112 h1.27 r270; Top Overlay "2" at 23.652,-29.604 h1.27 r270; Top Overlay "5" at 21.112,-38.748 h1.27 r270; Top Overlay "6" at 23.652,-38.748 h1.27 r270
Serial: Mechanical 5 "SerialNr" at 52.513,46.404 h0.7